# KiCad board AmigaPCI 68040.kicad_pcb (continued)
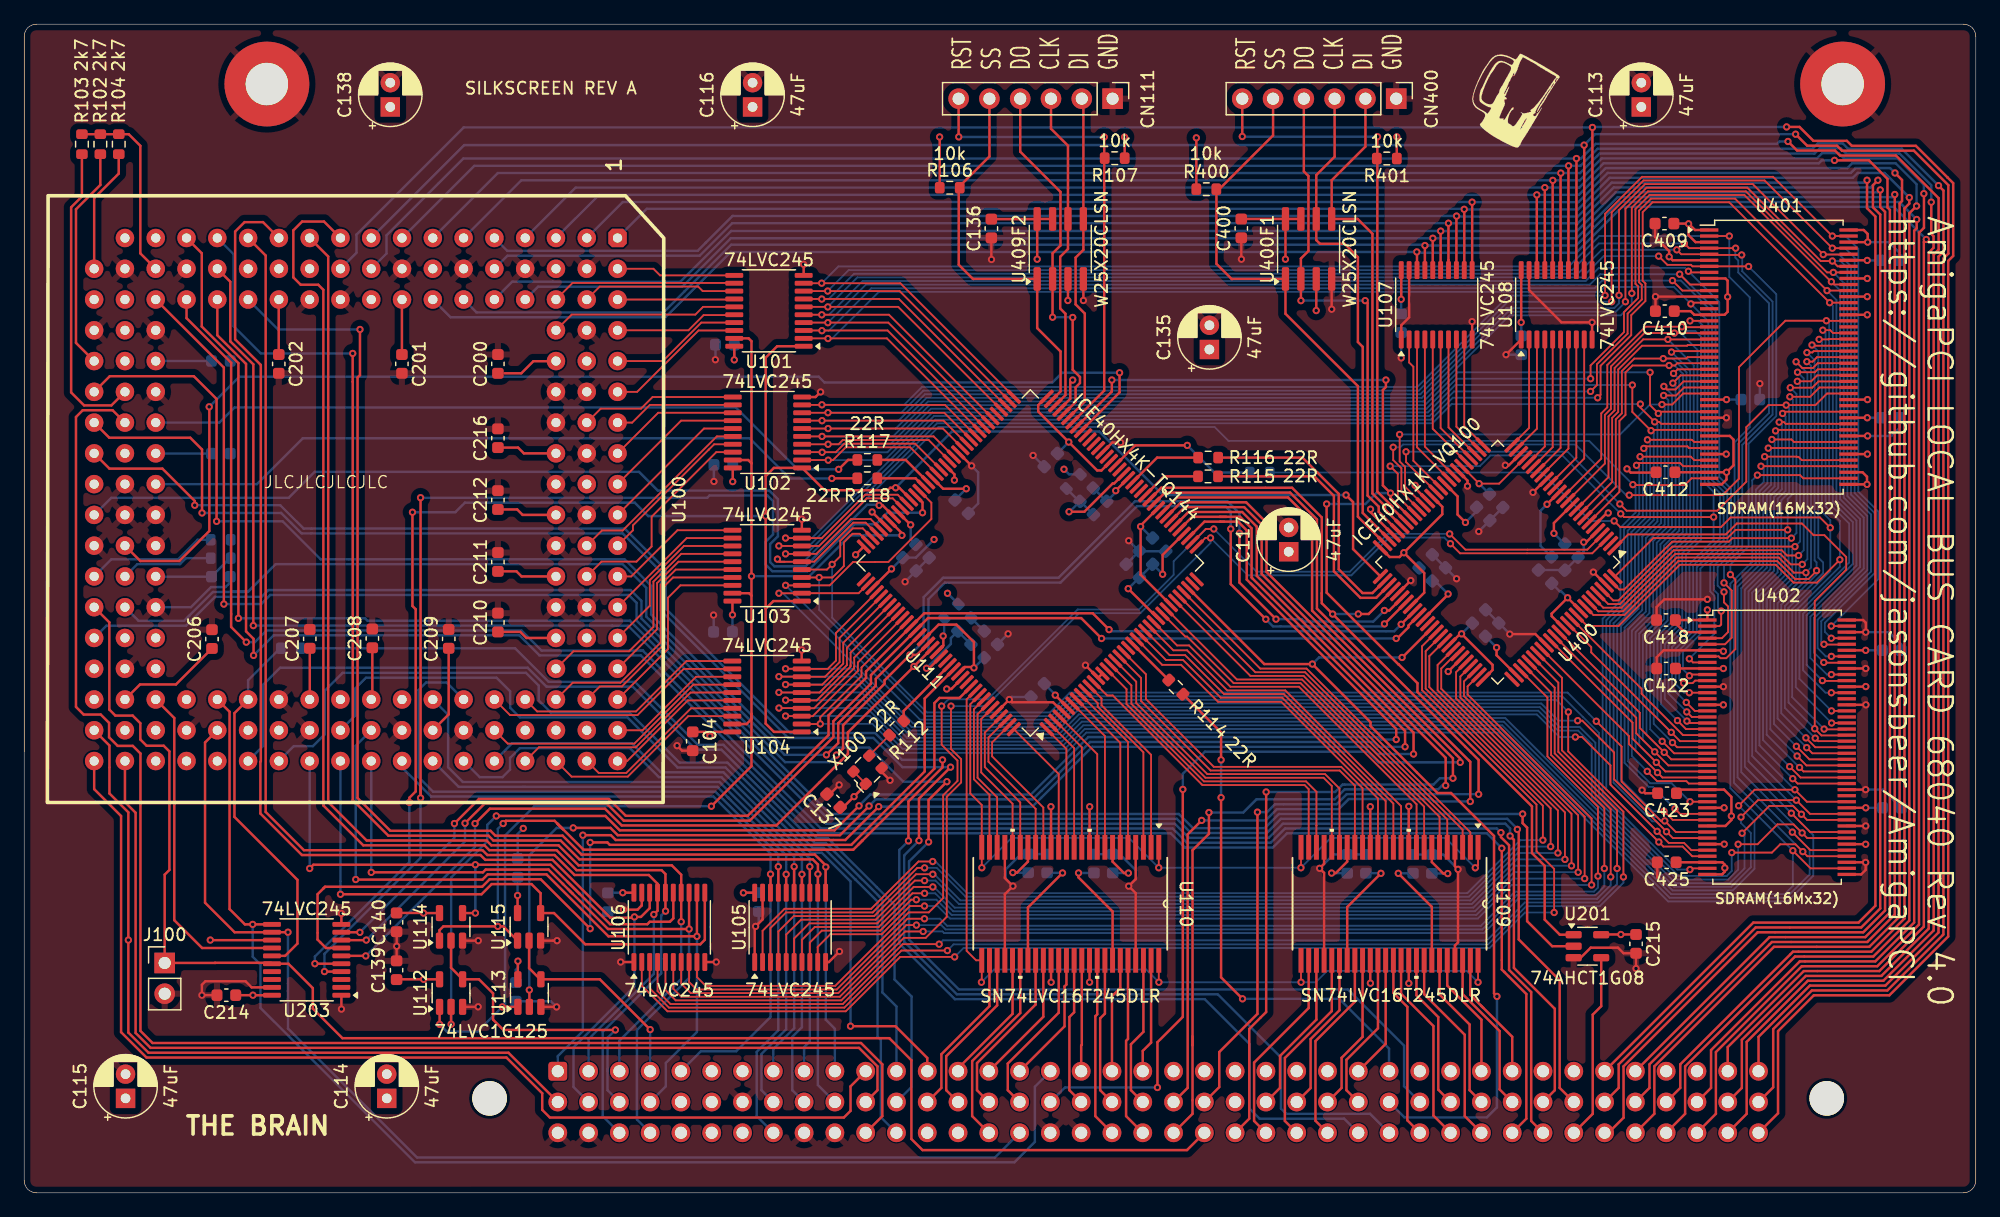
[diagram p0: board, top side]
## Routing (per net, layer and track width the routed paths; a pad name or vN(x,y) marks a point on that pad's centre or on a via; arc(x,y) is an arc through that point) (continued)
D29: length 21.7
  Top w0.15: U104.12 54.41,43.25 50.6,39.44 40.07,39.44 U100.64
D30: length 22.1
  Top w0.15: U100.65 39.89,37.08 50.33,37.08 55.2,41.95 U104.14
D31: length 19.4
  Top w0.15: U100.60 42.46,36.78 50.45,36.78 54.97,41.3 U104.15
DA0: length 10.8
  Top w0.2: U109.47 119.3,16.33 120.21,15.43 ; 120.21,15.43 120.38,15.25 ; 120.21,15.43 122.76,12.88 CN100.a32
DA1: length 16.2
  Top w0.2: U109.41 115.49,16.39 118.84,13.04 118.84,6.33 CN100.c31
DA2: length 10.3
  Top w0.2: U109.44 117.4,17.11 120.22,14.29 CN100.a31
DA3: length 13.4
  Top w0.2: U109.46 118.67,16.4 121.72,13.35 121.72,8.53 CN100.b32
DA4: length 13.1
  Top w0.2: CN100.b31 119.24,8.47 119.24,13.89 116.76,16.37 U109.43
DA5: length 15.9
  Top w0.2: U109.38 113.59,16.43 116.26,13.76 116.26,6.37 CN100.c30
DA6: length 12.9
  Top w0.2: U109.40 114.86,16.3 116.66,14.5 116.66,8.51 CN100.b30
DA7: length 15.1
  Top w0.2: CN100.c29 114.11,5.98 114.11,15.35 112.95,16.5 U109.37
DA8: length 10.1
  Top w0.2: U109.36 112.32,12.29 CN100.a27
DA9: length 13.2
  Top w0.2: U109.35 111.68,13.58 109.08,10.98 109.08,8.47 CN100.b27
DA10: length 16
  Top w0.2: CN100.c26 106.53,5.94 106.53,12.52 109.78,15.77 U109.32
DA11: length 13.3
  Top w0.2: 110.41,16.1 U109.33 ; 110.41,16.1 110.41,12.87 108.68,11.14 108.68,8.66 CN100.b26 ; 110.41,16.1 110.41,15.7
DA12: length 16.2
  Top w0.2: CN100.c25 104,5.93 104,11.13 107.87,15 U109.29
DA13: length 16.5
  Top w0.2: CN100.c24 101.46,5.93 101.46,10.75 105.97,15.25 U109.26
DA14: length 14.9
  Top w0.2: CN100.c20 90.9,6.33 90.9,12.54 91.06,12.7 U110.44
DA15: length 12.5
  Top w0.2: U110.46 92.33,13.29 91.3,12.26 91.3,8.47 CN100.b20
DA16: length 13.2
  Top w0.2: U109.30 108.51,15.07 106.13,12.69 106.13,8.64 CN100.b25
DA17: length 9.4
  Top w0.2: CN100.a20 92.28,11.71 92.97,12.4 U110.47
DA18: length 13.4
  Top w0.2: CN100.b24 103.6,8.66 103.6,11.29 106.6,14.29 U109.27
DA19: length 12.3
  Top w0.2: CN100.b19 88.76,8.47 88.76,14.4 89.16,14.79 U110.41
DA20: length 9.2
  Top w0.2: U110.38 87.25,12.21 87.2,12.16 CN100.a18
DA21: length 16.5
  Top w0.2: CN100.c15 78.2,6.33 78.2,10.87 82.17,14.84 U110.30
DA22: length 12.3
  Top w0.2: U110.37 86.62,14.9 86.22,14.51 86.22,8.47 CN100.b18
DA23: length 14.9
  Top w0.2: CN100.c19 88.36,6.33 88.36,14.57 88.52,14.73 U110.40
DA24: length 14.2
  Top w0.2: 80.27,16.41 80.27,15.47 76.06,11.27 76.06,8.47 CN100.b14 ; 80.27,16.05 U110.27
DA25: length 9.4
  Top w0.2: U110.43 90.43,16.91 89.74,16.23 CN100.a19
DA26: length 11
  Top w0.2: U110.29 81.54,14.77 77.04,10.27 CN100.a14
DA27: length 13.8
  Top w0.2: CN100.b16 81.14,8.47 81.14,10.67 85.35,14.87 U110.35
DA28: length 13.8
  Top w0.2: CN100.b13 75.66,8.66 75.66,11.44 79.63,15.41 U110.26
DA29: length 10.8
  Top w0.2: CN100.a16 85.82,13.74 85.82,17.04 85.98,17.19 U110.36
DA30: length 14.1
  Top w0.2: CN100.b15 78.6,8.47 78.6,10.71 83.44,15.55 U110.32
DA31: length 11
  Top w0.2: CN100.a15 84.08,14.53 U110.33
EMA0: length 53.1
  Top w0.15: v1(136.01,66.84) 136.65,67.48 U401.25 ; U402.25 135.64,35.28 v1(134.52,36.4) 132.99,37.93 132.99,39.22 U400.86
  Bottom w0.15: v1(134.52,36.4) 133.54,37.38 133.54,46.04 134.98,47.48 134.98,53.54 136.24,54.79 136.24,66.62 v1(136.01,66.84)
EMA1: length 55.3
  Top w0.15: U402.26 135.39,34.78 v1(134.65,35.53) 132.69,37.49 132.69,38.81 U400.85 ; U401.26 136.9,66.98 136.23,66.32 135.52,66.32 v1(135.27,66.57)
  Bottom w0.15: v1(135.27,66.57) 135.94,65.9 135.94,54.92 134.68,53.66 134.68,47.61 133.24,46.16 133.24,36.94 v1(134.65,35.53)
EMA2: length 55.6
  Top w0.15: U401.27 136.94,66.48 136.28,65.82 v1(135.25,65.82) ; U402.27 135.15,34.28 v1(134.74,34.69) 132.39,37.05 132.39,37.7 U400.83
  Bottom w0.15: v1(134.74,34.69) 132.94,36.5 132.94,46.29 134.38,47.73 134.38,53.79 135.64,55.04 135.64,65.43 v1(135.25,65.82)
EMA3: length 58.7
  Top w0.15: v1(145.48,54.73) 141.19,54.73 140.51,54.05 134.4,54.05 U400.100 ; v1(145.66,65.71) 147.34,65.71 148.11,66.48 U401.60 ; v1(145.65,35.18) 146.55,34.28 U402.60
  Bottom w0.15: v1(145.65,35.18) 143.45,37.38 143.45,49.17 145.26,50.98 145.26,54.5 v1(145.48,54.73) 145.48,57.27 145.91,57.7 145.91,65.47 v1(145.66,65.71)
EMA4: length 60.4
  Top w0.15: v1(145.79,54.04) 140.93,54.04 140.64,53.75 135.95,53.75 132,49.8 131.6,49.8 U400.99 ; U402.61 146.79,34.78 v1(146.46,35.11) ; U401.61 148.03,66.98 147.51,66.46 v1(145.7,66.46)
  Bottom w0.15: 143.75,48.35 143.75,49.05 ; 143.75,48.35 143.75,37.82 v1(146.46,35.11) ; 143.75,48.35 143.75,49.05 ; 143.75,49.05 145.56,50.85 145.56,53.81 v1(145.79,54.04) 146.21,54.46 146.21,65.95 v1(145.7,66.46)
EMA5: length 59.9
  Top w0.15: U401.62 147.92,67.48 147.43,66.99 v1(146.28,66.99) ; v1(146.26,36.06) 147.03,35.28 U402.62 ; U400.97 131.08,48.9 131.52,48.9 135.96,53.35 v1(146.08,53.35)
  Bottom w0.15: v1(146.28,66.99) 146.51,66.76 146.51,53.77 v1(146.08,53.35) 145.86,53.12 145.86,50.73 144.05,48.92 144.05,38.26 v1(146.26,36.06)
EMA6: length 60.7
  Top w0.15: v1(146.38,52.61) 145.43,52.61 145,53.05 136.09,53.05 131.65,48.6 130.67,48.6 U400.96 ; U401.63 147.97,67.98 147.73,67.74 v1(146.3,67.74) ; U402.63 147.28,35.78 v1(146.2,36.86)
  Bottom w0.15: v1(146.3,67.74) 146.81,67.23 146.81,53.04 v1(146.38,52.61) 146.16,52.39 146.16,50.6 144.35,48.8 144.35,38.71 v1(146.2,36.86)
EMA7: length 62.2
  Top w0.15: v1(146.18,68.6) 146.69,68.09 147.57,68.09 147.96,68.48 U401.64 ; U400.95 130.27,48.3 131.77,48.3 136.21,52.75 144.87,52.75 145.74,51.88 v1(146.68,51.88) ; U402.64 147.52,36.28 v1(147.05,36.75)
  Bottom w0.15: v1(146.18,68.6) 147.11,67.67 147.11,52.3 v1(146.68,51.88) 146.46,51.65 146.46,50.48 144.65,48.67 144.65,39.15 v1(147.05,36.75)
EMA8: length 60.9
  Top w0.15: U400.94 129.86,48 131.9,48 136.34,52.45 144.75,52.45 146,51.2 v1(146.99,51.2) ; U402.65 147.76,36.78 v1(146.99,37.55) ; v1(147.06,68.62) 147.54,68.62 147.91,68.98 U401.65
  Bottom w0.15: v1(147.06,68.62) 147.41,68.27 147.41,51.61 v1(146.99,51.2) 146.99,50.59 144.95,48.55 144.95,39.59 v1(146.99,37.55)
EMA9: length 62.6
  Top w0.15: v1(147.76,37.53) 148,37.28 U402.66 ; v1(147.87,51.36) 147.87,51.33 147.21,50.67 146.1,50.67 144.62,52.15 136.46,52.15 132.02,47.7 129.45,47.7 U400.93 ; v1(147.07,69.37) 147.08,69.38 147.52,69.38 147.63,69.48 U401.66
  Bottom w0.15: v1(147.76,37.53) 145.25,40.03 145.25,48.42 147.87,51.04 v1(147.87,51.36) 147.87,52.04 147.71,52.2 147.71,68.73 v1(147.07,69.37)
EMA10: length 53.6
  Top w0.15: v1(136.07,67.64) 136.41,67.98 U401.24 ; U402.24 135.88,35.78 v1(135.3,36.36) 133.29,38.37 133.29,39.63 U400.87
  Bottom w0.15: v1(136.07,67.64) 136.54,67.17 136.54,54.67 135.28,53.41 135.28,47.36 133.84,45.92 133.84,37.82 v1(135.3,36.36)
EMA11: length 52.6
  Top w0.15: U402.21 136.61,37.28 v1(135.88,38.01) 129.28,44.61 129.28,45.05 U400.89 ; v1(135.9,69.4) 135.98,69.48 U401.21
  Bottom w0.15: v1(135.9,69.4) 137.44,67.86 137.44,54.3 136.18,53.04 136.18,46.99 134.74,45.54 134.74,39.15 v1(135.88,38.01)
EMA12: length 64.8
  Top w0.15: v1(149.79,52.26) 147.9,50.37 145.97,50.37 144.5,51.85 136.59,51.85 131.53,46.79 128.95,46.79 U400.91 ; v1(149.11,38.78) U402.69 ; U401.69 149.22,70.98 148.99,71.21 v1(148.38,71.21)
  Bottom w0.15: v1(148.38,71.21) 148.61,70.99 148.61,56.65 149.79,55.47 v1(149.79,52.26) 149.79,51.69 146.15,48.05 146.15,41.74 v1(149.11,38.78)
EMCLKE: length 76.3
  Top w0.15: 150.45,69.93 147.55,69.93 v1(147.49,69.99) ; 150.33,37.76 148.27,37.76 v1(147.72,38.31) 147.72,48.84 150.31,51.44 150.31,52.49 148.51,54.29 147.62,54.29 146.66,55.25 141.29,55.25 140.39,54.35 132.33,54.35 131.23,53.25 U400.1
  Bottom w0.15: v1(147.72,38.31) 145.55,40.48 145.55,48.3 148.41,51.15 148.41,52.04 148.01,52.44 148.01,69.47 v1(147.49,69.99)
LVA0: length 112.2
  Top w0.15: v1(97.87,54.06) 97.44,54.06 U111.37 ; U106.5 52.9,16.73 53.75,15.88 67.41,15.88 72.57,21.05 74.38,21.05 76.11,22.78 76.11,32.69 77.29,33.88 77.29,35.8 76.46,36.64 v1(76.46,40.18) ; U400.3 129.36,52.79 118.46,52.79 v1(117.66,53.59)
  Bottom w0.15: 97.03,52.8 97.15,52.92 ; 97.03,52.8 92.08,47.85 87.03,47.85 79.35,40.18 v1(76.46,40.18) ; 97.03,52.8 97.87,53.64 v1(97.87,54.06) 100.96,50.97 109.49,50.97 112.61,54.09 117.16,54.09 v1(117.66,53.59)
LVA1: length 109.3
  Top w0.15: v1(75.69,40.18) 75.69,36.98 76.99,35.68 76.99,34 75.81,32.81 75.81,24.33 74.63,23.15 72.97,23.15 66.91,17.08 56.22,17.08 55.5,17.8 U106.9 ; v1(117.6,54.39) 118.9,53.09 128.95,53.09 U400.4 ; v1(98.14,54.8) 97.48,54.8 U111.38
  Bottom w0.15: v1(75.69,40.18) 76.25,40.74 79.49,40.74 86.9,48.15 91.96,48.15 94.83,51.02 94.83,52.14 97.05,54.37 ; v1(117.6,54.39) 112.48,54.39 109.36,51.27 101.67,51.27 v1(98.14,54.8) 97.49,54.8 97.05,54.37 ; 97.05,54.37 97.28,54.59
LVA2: length 101.4
  Top w0.15: U106.8 54.85,17.4 55.47,16.78 67.03,16.78 72.87,22.62 v1(74.27,22.62) ; v1(129.83,26.14) 129.83,31.86 125.66,36.03 125.66,40.89 U400.78
  Bottom w0.15: v1(74.27,22.62) 75.55,22.62 76.14,22.04 120.18,22.04 123,24.86 129.5,24.86 129.83,25.2 v1(129.83,26.14)
LVA3: length 103.1
  Top w0.15: v1(73.6,22.1) 72.77,22.1 67.16,16.48 54.99,16.48 54.2,17.27 U106.7 ; U400.79 125.96,41.29 125.96,36.15 130.36,31.76 v1(130.36,26.77)
  Bottom w0.15: v1(130.36,26.77) 130.36,25.3 129.62,24.56 123.12,24.56 120.3,21.74 76.01,21.74 75.65,22.1 v1(73.6,22.1)
LVA4: length 93.5
  Top w0.15: U105.2 60.91,21.63 62.73,23.44 69.87,23.44 73.78,27.35 v1(74.95,27.35) ; v1(125.29,29.11) 125.29,31.95 115.62,41.62 115.62,44.71 U400.65
  Bottom w0.15: v1(74.95,27.35) 75.18,27.35 77.78,24.74 119.06,24.74 123.43,29.11 v1(125.29,29.11)
LVA5: length 92.8
  Top w0.15: 62.21,19.05 62.21,21.57 63.49,22.84 70.12,22.84 73.58,26.3 v1(74.96,26.3) ; v1(126.53,28.05) 126.53,31.56 116.6,41.49 116.6,43.57 U400.68
  Bottom w0.15: v1(126.53,28.05) 123.22,28.05 119.31,24.14 77.23,24.14 75.07,26.3 v1(74.96,26.3)
LVA6: length 92.5
  Top w0.15: v1(127.11,27.52) 127.11,31.41 116.9,41.61 116.9,43.28 118.14,44.51 U400.69 ; v1(74.28,25.77) 73.48,25.77 70.25,22.54 64.09,22.54 62.86,21.32 U105.5
  Bottom w0.15: v1(74.28,25.77) 75.18,25.77 77.11,23.84 119.43,23.84 123.11,27.52 v1(127.11,27.52)
LVA7: length 91.1
  Top w0.15: v1(127.65,26.99) 127.65,31.29 118.13,40.81 118.13,42.97 U400.71 ; 63.51,19.05 63.51,20.99 64.77,22.24 70.37,22.24 73.38,25.25 v1(74.96,25.25)
  Bottom w0.15: v1(127.65,26.99) 127.64,27 123.01,27 119.56,23.54 76.76,23.54 75.05,25.25 v1(74.96,25.25)
LVA8: length 90.8
  Top w0.15: v1(128.2,26.46) 128.2,31.16 118.48,40.88 118.48,42.62 U400.72 ; v1(74.28,24.72) 73.28,24.72 70.5,21.94 65.22,21.94 64.16,20.89 U105.7
  Bottom w0.15: v1(74.28,24.72) 75.15,24.72 76.63,23.24 119.68,23.24 122.91,26.47 128.19,26.47 v1(128.2,26.46)
LVA9: length 93.6
  Top w0.15: v1(125.93,28.58) 125.93,31.74 115.92,41.75 115.92,44.3 U400.66 ; U105.3 61.56,21.85 62.85,23.14 70,23.14 73.68,26.82 v1(74.28,26.82)
  Bottom w0.15: v1(125.93,28.58) 123.33,28.58 119.18,24.44 77.66,24.44 75.28,26.82 v1(74.28,26.82)
LVA10: length 90.4
  Top w0.15: U105.8 64.81,20.66 65.8,21.64 70.62,21.64 73.17,24.2 v1(73.6,24.2) ; v1(128.73,25.94) 128.73,31.05 118.78,41.01 118.78,42.21 U400.73
  Bottom w0.15: v1(128.73,25.94) 128.73,25.94 122.8,25.94 119.8,22.94 76.51,22.94 75.25,24.2 v1(73.6,24.2)
LVA11: length 90
  Top w0.15: U105.9 65.46,20.3 66.5,21.34 70.74,21.34 73.07,23.67 v1(74.27,23.67) ; v1(129.31,25.41) 129.31,30.9 119.08,41.13 119.08,41.8 U400.74
  Bottom w0.15: v1(129.31,25.41) 122.7,25.41 119.93,22.64 76.39,22.64 75.35,23.67 v1(74.27,23.67)
LVA12: length 109.3
  Top w0.15: v1(76.16,20) 72.37,20 67.65,15.28 53.19,15.28 51.6,16.88 U106.3 ; U400.82 126.86,42.52 126.86,36.52 131.93,31.45 v1(131.93,26.07)
  Bottom w0.15: v1(76.16,20) 76.67,20.51 120.77,20.51 123.92,23.66 130,23.66 131.93,25.6 v1(131.93,26.07)
LVA13: length 110
  Top w0.15: v1(76.76,19.47) 72.27,19.47 67.78,14.98 53.07,14.98 50.95,17.1 U106.2 ; v1(126.22,23.14) 126.22,26.74 124.76,28.2 124.76,32.05 115.32,41.5 115.32,45.12 U400.64
  Bottom w0.15: 120.47,20.21 120.89,20.21 123.82,23.14 v1(126.22,23.14) ; 120.47,20.21 77.49,20.21 v1(76.76,19.47) ; 120.47,20.21 120.86,20.21 120.87,20.21
LVA14: length 105.1
  Top w0.15: v1(130.88,26.08) 130.88,31.66 126.26,36.28 126.26,41.7 U400.80 ; v1(74.16,21.57) 72.67,21.57 67.28,16.18 54.21,16.18 53.55,16.84 U106.6
  Bottom w0.15: 129.75,24.26 123.25,24.26 120.43,21.44 75.89,21.44 75.76,21.57 v1(74.16,21.57) ; 129.75,24.26 129.86,24.37 ; 129.75,24.26 129.86,24.37 ; 129.86,24.37 130.88,25.4 v1(130.88,26.08)
LVA15: length 107.6
  Top w0.15: v1(75.48,20.52) 72.47,20.52 67.53,15.58 53.32,15.58 52.25,16.65 U106.4 ; U400.81 126.56,42.11 126.56,36.4 131.41,31.56 v1(131.41,26.77)
  Bottom w0.15: v1(131.41,26.77) 131.41,25.5 129.87,23.96 123.8,23.96 120.67,20.84 75.8,20.84 v1(75.48,20.52)
LVA16: length 13.2
  Top w0.15: U108.9 128.7,60.62 U400.15
LVA17: length 12.8
  Top w0.15: U108.8 128.05,60.67 U400.16
LVA18: length 11.6
  Top w0.15: U108.6 126.75,61.5 U400.19
LVA19: length 12.1
  Top w0.15: U400.18 127.4,61.44 U108.7
LVA20: length 11.1
  Top w0.15: U108.5 126.1,61.55 U400.20
LVA21: length 10.7
  Top w0.15: U400.21 125.45,61.61 U108.4
LVA22: length 10.3
  Top w0.15: U400.28 117.5,63.19 U107.7
LVA23: length 13.3
  Top w0.15: U400.36 114.6,60.43 114.6,68.19 114.25,68.54 U107.2
LVA24: length 9.8
  Top w0.15: U400.24 124.8,63.08 U108.3
LVA25: length 12.6
  Top w0.15: U107.3 114.9,61.55 U400.34
LVA26: length 10.8
  Top w0.15: U107.6 116.85,63.13 U400.29
LVA27: length 9.3
  Top w0.15: U400.25 124.15,63.14 U108.2
LVA28: length 11.3
  Top w0.15: U400.30 116.2,63.07 U107.5
LVA29: length 9.4
  Top w0.15: U107.9 118.8,63.3 U400.26
LVA30: length 12.2
  Top w0.15: U400.33 115.55,61.6 115.55,70.44
LVA31: length 9.8
  Top w0.15: U107.8 118.15,63.25 U400.27
LVDA0: length 134.3
  Top w0.15: v1(140.23,49.6) 140.23,48.74 140.57,48.4 140.57,46.29 140.06,45.78 U402.4 ; v1(141.19,77.98) U401.4 137.35,77.98 v1(136.96,78.37) ; U111.74 72.22,74.44 66.29,74.44 v1(66.29,74.44) 66.28,74.44 U101.8
  Bottom w0.15: v1(66.29,74.44) 68.02,76.17 127.71,76.17 129.91,78.37 v1(136.96,78.37) ; v1(141.19,77.98) 141.16,77.96 141.16,77.21 141.4,76.97 141.4,75.98 143.94,73.44 143.94,64.37 141.4,61.83 141.4,53.36 139.71,51.66 139.71,50.12 v1(140.23,49.6)
LVDA1: length 134.7
  Top w0.15: U111.75 72.16,73.79 65.8,73.79 v1(65.8,73.78) 65.79,73.79 U101.7 ; v1(136.34,77.85) 136.7,77.48 U401.5 ; v1(140.23,50.35) 140.87,49.72 140.87,45.83 140.32,45.28 U402.5 ; 139.07,77.42 v1(141.69,77.42)
  Bottom w0.15: v1(136.34,77.85) 130.14,77.85 128.17,75.87 68.46,75.87 66.37,73.78 v1(65.8,73.78) ; v1(140.23,50.35) 140.23,51.76 141.73,53.26 141.73,61.74 144.24,64.25 144.24,73.57 141.73,76.07 141.73,77.38 v1(141.69,77.42)
LVDA2: length 130.8
  Top w0.15: U101.5 71.34,72.49 U111.78 ; U401.8 137.39,75.98 v1(137.29,76.08) ; U402.8 137.67,43.78 v1(137.37,44.08)
  Bottom w0.15: v1(65.8,72.48) 66.39,72.48 69.18,75.27 128.82,75.27 129.9,76.36 137.01,76.36 v1(137.29,76.08) 139.84,73.53 139.84,59.09 140.8,58.13 140.8,53.61 139.09,51.9 139.09,49.64 139.43,49.3 139.43,46.15 v1(137.37,44.08)
LVDA3: length 134.8
  Top w0.15: U101.9 65.78,75.09 v1(65.79,75.09) 65.79,75.09 72.28,75.09 U111.73 ; U401.2 v1(140.67,78.98) ; U402.2 139.86,46.78 140,46.92 v1(140,48.02)
  Bottom w0.15: v1(140,48.02) 139.73,48.29 139.73,49.43 139.39,49.77 139.39,51.77 141.1,53.48 141.1,61.96 142.36,63.21 142.36,73.92 140.66,75.61 140.66,78.98 v1(140.67,78.98) 129.94,78.98 127.43,76.47 67.17,76.47 v1(65.79,75.09)
LVDA4: length 134.8
  Top w0.15: v1(142.26,76.47) 142.25,76.48 U401.7 137.63,76.48 137.5,76.61 135.56,76.61 134.84,77.32 v1(134.84,77.32) ; U111.76 72.11,73.14 66.3,73.14 v1(66.3,73.13) 66.29,73.14 64.3,73.14 ; U402.7 139.79,44.28 139.94,44.13 140.42,44.13 141.17,44.88 141.17,50.62 v1(140.76,51.03)
  Bottom w0.15: v1(142.26,76.47) 144.54,74.19 144.54,64.12 142.26,61.84 142.26,53.37 140.76,51.86 v1(140.76,51.03) ; v1(134.84,77.32) 130.3,77.32 128.55,75.57 68.74,75.57 v1(66.3,73.13)
LVDA5: length 131.4
  Top w0.15: U101.4 71.28,71.84 U111.79 ; U402.10 137.48,42.78 v1(137.38,42.68) ; v1(136.57,75.83) 137.42,74.98 U401.10
  Bottom w0.15: v1(66.3,71.83) 69.44,74.97 129.16,74.97 130.02,75.83 v1(136.57,75.83) 139.54,72.87 139.54,58.97 140.5,58 140.5,53.73 138.91,52.13 138.89,52.13 138.28,51.52 138.28,46.12 136.84,44.68 136.84,43.22 v1(137.38,42.68)
LVDA6: length 132.5
  Top w0.15: U401.11 136.8,74.48 v1(135.98,75.31) ; U101.3 71.23,71.19 U111.80 ; U402.11 137.85,42.28 137.64,42.07 v1(136.9,42.07)
  Bottom w0.15: v1(136.9,42.07) 136.54,42.43 136.54,44.8 137.98,46.24 137.98,51.65 140.2,53.87 140.2,57.88 139.24,58.84 139.24,72.74 136.67,75.31 v1(135.98,75.31) 130.18,75.31 129.55,74.67 69.88,74.67 66.38,71.17 v1(65.81,71.17)
LVDA7: length 129.6
  Top w0.15: v1(137.5,73.38) 137.6,73.48 U401.13 ; U111.81 71.17,70.54 64.3,70.54 ; v1(137.37,41.28) U402.13
  Bottom w0.15: v1(66.31,70.52) 66.65,70.52 70.5,74.37 129.97,74.37 130.38,74.78 136.1,74.78 v1(137.5,73.38) 138.94,71.94 138.94,58.72 139.9,57.75 139.9,53.99 137.68,51.77 137.68,46.37 136.24,44.93 136.24,41.99 136.95,41.28 v1(137.37,41.28)
LVDA8: length 151.1
  Top w0.15: v1(149.08,46.78) U402.85 ; v1(130.42,74.08) 130.42,80.82 133.47,83.87 144.28,83.87 v1(149.17,78.98) U401.85 ; U102.9 75.96,65.04 U111.82
  Bottom w0.15: v1(130.42,74.08) 130.41,74.07 122.48,74.07 114.93,66.52 74.06,66.52 72.59,65.05 v1(65.81,65.05) ; v1(149.08,46.78) 152.96,50.66 152.96,56.24 151.31,57.89 151.31,77.93 150.26,78.98 v1(149.17,78.98)
LVDA9: length 151.1
  Top w0.15: U401.83 v1(149.17,77.98) 143.58,83.57 133.59,83.57 130.96,80.94 v1(130.96,73.56) ; U102.8 75.9,64.39 U111.83 ; v1(149.08,45.78) U402.83
  Bottom w0.15: v1(149.08,45.78) 148.55,46.31 148.55,47.06 152.66,51.16 152.66,56.12 151.01,57.77 151.01,77.19 150.22,77.98 v1(149.17,77.98) ; v1(130.96,73.56) 130.95,73.56 122.39,73.56 115.05,66.22 74.18,66.22 72.36,64.4 v1(66.31,64.4)
LVDA10: length 152.3
  Top w0.15: U102.7 75.84,63.74 U111.84 ; v1(131.57,74.09) 131.57,81.12 133.72,83.27 142.6,83.27 v1(148.42,77.46) 150.48,77.46 ; 150.33,45.26 148.5,45.26 v1(148.48,45.28)
  Bottom w0.15: v1(131.57,74.09) 131.57,73.43 131.18,73.04 122.29,73.04 115.18,65.92 74.31,65.92 72.13,63.74 v1(65.82,63.74) ; v1(148.48,45.28) 148.25,45.51 148.25,47.18 152.36,51.29 152.36,55.99 150.71,57.64 150.71,76.48 149.73,77.46 v1(148.42,77.46)
LVDA11: length 151.5
  Top w0.15: U111.85 75.79,63.09 U102.6 ; v1(149.09,44.28) U402.80 ; v1(132.1,73.56) 132.1,81.23 133.84,82.97 142.16,82.97 148.21,76.92 v1(149.17,76.92) 149.61,76.48 U401.80
  Bottom w0.15: v1(132.1,73.56) 132.1,73.53 131.3,72.74 122.41,72.74 115.3,65.62 74.43,65.62 71.9,63.09 v1(66.32,63.09) ; v1(149.17,76.92) 149.84,76.92 150.41,76.36 150.41,57.52 152.06,55.87 152.06,51.41 147.95,47.31 147.95,44.96 148.63,44.28 v1(149.09,44.28)
LVDA12: length 150.9
  Top w0.15: U102.5 75.02,62.44 U111.87 ; v1(132.62,74.26) 132.62,81.33 133.97,82.67 142.04,82.67 148.73,75.98 v1(149.25,75.98) U401.79 ; 150.33,43.76 148.49,43.76 v1(148.46,43.78)
  Bottom w0.15: v1(149.25,75.98) 150.11,75.12 150.11,57.4 151.76,55.75 151.76,51.54 147.65,47.43 147.65,44.59 v1(148.46,43.78) ; v1(132.62,74.26) 132.62,73.34 131.71,72.44 122.54,72.44 115.43,65.32 74.56,65.32 71.68,62.44 v1(65.82,62.44)
LVDA13: length 152.7
  Top w0.15: U401.77 149.32,74.98 v1(149.09,75.21) 149.07,75.21 141.91,82.37 134.09,82.37 132.92,81.21 132.92,75.04 133.15,74.82 133.15,73.87 131.98,72.7 131.98,71.05 129.22,68.3 v1(129.22,67.21) ; U102.3 66.95,61.14 67.65,61.84 73.5,61.84 U111.90 ; U402.77 v1(149.09,42.78)
  Bottom w0.15: v1(149.09,42.78) 148.72,42.78 147.35,44.15 147.35,47.55 151.46,51.66 151.46,55.62 149.81,57.27 149.81,74.49 v1(149.09,75.21) ; v1(129.22,67.21) 118.16,67.21 115.67,64.72 74.8,64.72 71.21,61.13 v1(65.83,61.13)
LVDA14: length 158.3
  Top w0.15: v1(129.22,66.16) 129.75,66.68 129.75,68.4 132.28,70.93 132.28,72.58 133.45,73.75 133.45,74.94 133.22,75.17 133.22,81.08 134.21,82.07 141.14,82.07 v1(148.73,74.48) U401.76 ; v1(148.35,42.28) 148.37,42.26 150.33,42.26 ; v1(62.81,54.05) 62.81,54.05 U103.9 65.8,54.05 69.38,57.63 72.06,57.63 U111.98
  Bottom w0.15: v1(62.81,54.05) 64.98,54.05 75.05,64.12 115.92,64.12 117.96,66.16 v1(129.22,66.16) ; v1(148.35,42.28) 147.05,43.58 147.05,47.68 151.16,51.78 151.16,55.5 149.51,57.15 149.51,73.7 v1(148.73,74.48)
LVDA15: length 159.8
  Top w0.15: U401.74 v1(148.95,73.48) 140.66,81.77 134.34,81.77 133.52,80.96 133.52,75.29 133.75,75.07 133.75,73.62 132.58,72.45 132.58,70.8 130.05,68.27 130.05,65.87 v1(129.81,65.63) ; v1(62.26,53.4) 62.26,53.4 U103.8 65.57,53.4 69.5,57.33 71.65,57.33 U111.99 ; v1(149.09,41.28) U402.74
  Bottom w0.15: v1(149.09,41.28) 148.61,41.28 146.75,43.14 146.75,47.8 150.86,51.91 150.86,55.37 149.21,57.02 149.21,73.22 v1(148.95,73.48) ; v1(129.81,65.63) 117.86,65.63 116.05,63.82 75.18,63.82 64.76,53.4 v1(62.26,53.4)
LVDA16: length 129.1
  Top w0.15: U111.88 74.62,62.14 67.53,62.14 67.18,61.79 U102.4 ; v1(134.13,67.73) 134.13,65.02 v1(134.81,64.34) 134.96,64.48 U401.31 ; U402.31 v1(137.43,32.28)
  Bottom w0.15: v1(137.43,32.28) 135.9,33.81 134.14,33.81 132.33,35.62 132.33,46.53 133.78,47.98 133.78,54.04 135.04,55.29 135.04,64.11 v1(134.81,64.34) ; v1(134.13,67.73) 118.26,67.73 115.55,65.02 74.68,65.02 71.45,61.79 v1(66.32,61.79)
LVDA17: length 129.5
  Top w0.15: v1(136.19,31.69) 136.6,31.28 U402.33 ; v1(133.33,65.11) 133.33,64.83 v1(134.51,63.64) 134.89,63.64 135.05,63.48 U401.33 ; 64.15,52.75 65.35,52.75 68.22,55.62 69.82,55.62 U111.104 ; 64.15,52.74 62.81,52.74
  Bottom w0.15: v1(136.19,31.69) 134.37,33.51 134.01,33.51 132.03,35.5 132.03,46.65 133.48,48.11 133.48,54.16 134.74,55.42 134.74,63.42 v1(134.51,63.64) ; v1(62.81,52.75) 64.53,52.75 75.3,63.52 116.17,63.52 117.76,65.11 133.32,65.11 v1(133.33,65.11)
LVDA18: length 129.8
  Top w0.15: U401.34 134.28,62.98 v1(134.21,62.92) 132.67,64.46 v1(132.67,66.68) ; U111.91 73.09,61.54 67.78,61.54 66.72,60.48 v1(66.33,60.48) 66.32,60.49 U102.2 ; U402.34 136,30.78 v1(135.28,31.5)
  Bottom w0.15: v1(132.67,66.68) 118.06,66.68 115.8,64.42 84.36,64.42 84.68,64.42 74.93,64.42 70.99,60.48 v1(66.33,60.48) ; v1(134.21,62.92) 134.44,62.69 134.44,55.54 133.18,54.28 133.18,48.23 131.73,46.78 131.73,34.1 134.33,31.5 v1(135.28,31.5)
LVDA19: length 135.2
  Top w0.15: U401.36 137.77,61.98 137.59,62.16 v1(133.91,62.16) ; U402.36 136.26,29.78 v1(135.34,30.7) 135.02,30.7 131.78,33.94 131.78,36.84 v1(129.69,38.93) ; U103.5 66.22,51.45 v1(66.65,51.88) 67.32,52.55 67.32,53.82 68.35,54.85 69.18,54.85 U111.106
  Bottom w0.15: v1(66.65,51.88) 66.65,47.48 74.47,39.65 84.62,39.65 86.26,41.29 127.33,41.29 v1(129.69,38.93) ; v1(135.34,30.7) 135.02,30.7 134.71,31.01 134.4,31.01 131.42,33.99 131.42,46.89 132.88,48.35 132.88,54.41 134.14,55.66 134.14,61.94 v1(133.91,62.16)
LVDA20: length 135.7
  Top w0.15: U401.37 137.35,61.48 137.21,61.62 133.78,61.62 v1(133.61,61.45) ; 64.16,49.49 62.27,49.49 ; U103.2 68.84,49.5 U111.110 ; U402.37 136.01,29.28 v1(135.49,29.81) 131.17,34.13 131.17,36.35 128.54,38.98 v1(128.16,38.98)
  Bottom w0.15: v1(135.49,29.81) 134.64,30.66 134.32,30.66 131.12,33.86 131.12,47.01 132.58,48.48 132.58,54.53 133.84,55.79 133.84,61.23 v1(133.61,61.45) ; v1(62.26,49.5) 62.59,49.5 73.33,38.75 84.99,38.75 86.63,40.39 125.16,40.39 126.57,38.98 v1(128.16,38.98)
LVDA21: length 135.7
  Top w0.15: v1(127.97,37.63) 128.52,37.63 130.87,35.28 130.87,33.69 v1(134.71,29.84) 135.67,28.88 136.94,28.88 137.54,28.28 U402.39 ; U111.114 67.57,45.4 67.57,43.68 65.83,41.95 U104.7 ; 64.15,41.95 62.81,41.95 ; v1(133.31,60.77) 137.49,60.77 137.78,60.48 U401.39
  Bottom w0.15: v1(62.81,41.96) 68.85,41.96 72.96,37.85 85.36,37.85 87,39.49 124.79,39.49 126.65,37.63 v1(127.97,37.63) ; v1(134.71,29.84) 130.82,33.74 130.82,47.14 132.28,48.6 132.28,54.66 133.54,55.91 133.54,60.54 v1(133.31,60.77)
LVDA22: length 145.9
  Top w0.15: v1(127.39,39.69) 127.38,39.68 127.38,36.43 v1(134.85,28.96) 135.23,28.58 136.81,28.58 137.61,27.78 U402.40 ; U111.95 74.84,56.97 74.84,55.62 71.29,52.08 70.2,52.08 70.2,52.07 68.38,52.07 66.45,50.15 U103.3 ; 64.16,50.14 62.82,50.14 ; v1(133.01,60.06) 133.2,60.24 136.61,60.24 136.87,59.98 U401.40
  Bottom w0.15: v1(127.39,39.69) 126.39,40.69 86.51,40.69 84.87,39.05 73.91,39.05 v1(62.81,50.15) ; v1(134.85,28.96) 130.52,33.29 130.52,47.26 131.98,48.73 131.98,54.78 133.24,56.04 133.24,59.83 v1(133.01,60.06)
LVDA23: length 132.3
  Top w0.15: U401.42 137.55,58.98 136.99,58.42 132.75,58.42 v1(132.71,58.46) ; U111.105 69.42,55.32 68.4,55.32 65.17,52.1 U103.6 ; 62.74,52.09 62.36,52.09 v1(62.14,52.31) ; 62.74,52.09 62.26,52.09 ; 62.74,52.09 64.15,52.09 ; v1(137.42,26.68) 137.52,26.78 U402.42
  Bottom w0.15: v1(62.14,52.31) 62.35,52.1 64.3,52.1 75.43,63.22 98.2,63.22 99.35,62.07 129.1,62.07 v1(132.71,58.46) 132.94,58.24 132.94,56.16 131.68,54.91 131.68,48.85 130.22,47.39 130.22,32.85 136.39,26.68 v1(137.42,26.68)
LVDA24: length 154.9
  Top w0.15: 64.16,40.01 62.27,40.01 ; v1(142.98,59.25) 146.5,59.25 146.77,58.98 U401.45 ; U104.4 65.16,40 68.47,43.3 68.47,43.42 68.47,43.42 68.47,44.19 U111.117 ; U402.45 147.37,26.78 v1(145.91,28.24)
  Bottom w0.15: v1(62.26,40.02) 69.52,40.02 72.59,36.95 85.74,36.95 87.38,38.59 121.93,38.59 135.87,24.65 145.23,24.65 145.91,25.33 v1(145.91,28.24) 140.75,33.4 140.75,50.29 142.56,52.09 142.56,58.82 v1(142.98,59.25)
